# Allegro board Try it by yourself - iMX6Rex module - ADDR CMD CTL Length Matching.brd (continued)
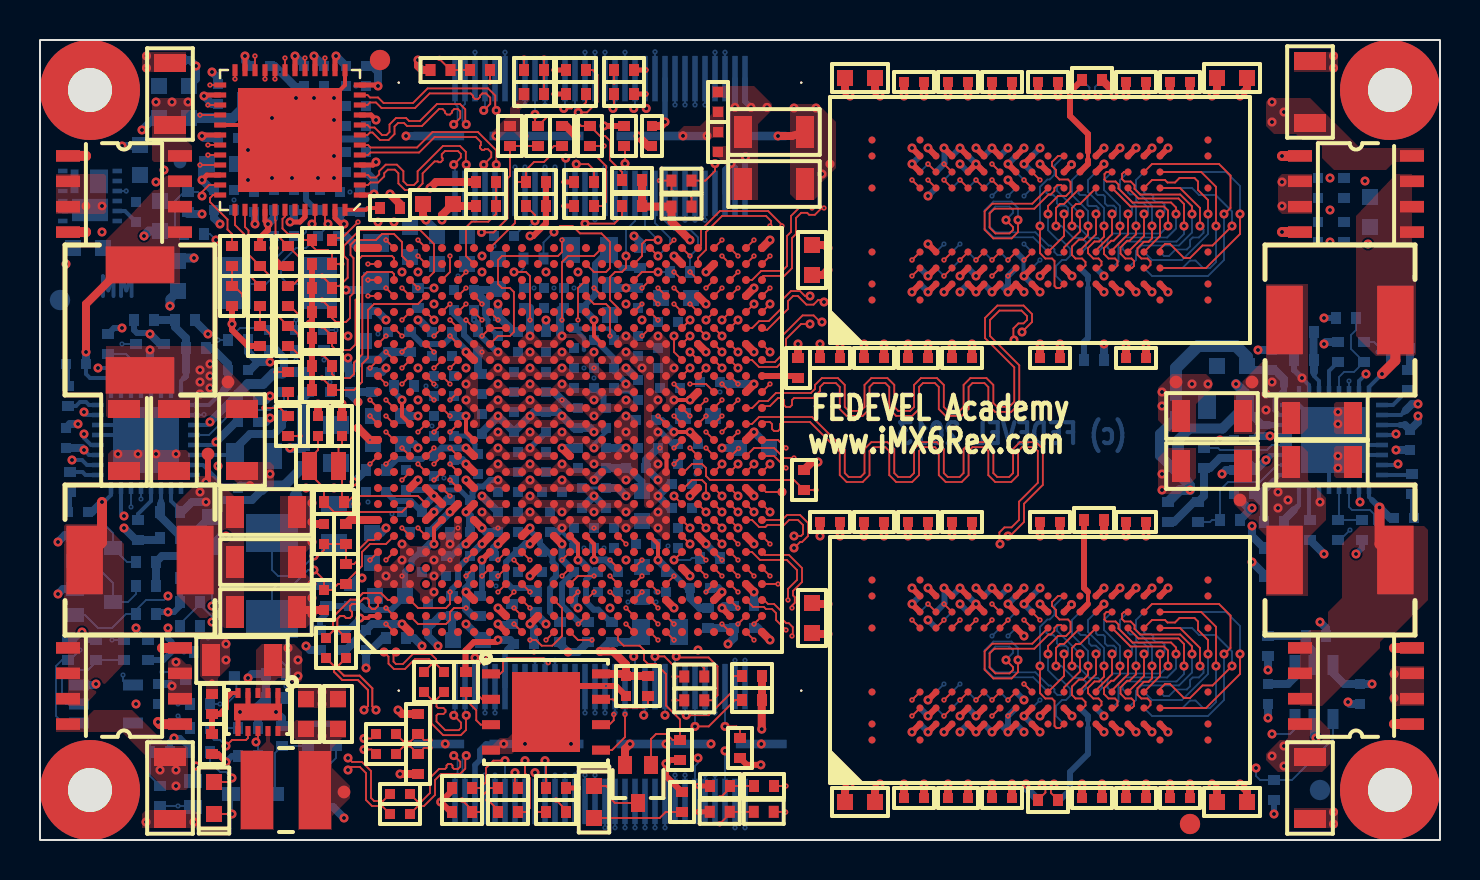
[diagram p0: board, top side]
## Library data of the parts
C1 = C0402_6
C2 = C1206_1
C3 = C0402_7
C4 = C0402
C5 = C0402_8
C6 = C0402_1
C7 = C0402_9
C8 = C0402_10
C9 = C0402_11
C10 = C0402_184
C11 = C0402_12
C12 = C0603_7
C13 = C0603_4
C14 = C0603_3
C15 = C0603_5
C16 = C0603_6
C17 = C0603_8
C18 = C0402_185
C19 = C0603_36
C20 = C0402_186
C21 = C0402_23
C22 = C0402_24
C23 = C0402_25
C24 = C0402_26
C25 = C0402_27
C26 = C0402_28
C27 = C0402_13
C28 = C0402_14
C29 = C0402_15
C30 = C0402_16
C31 = C0402_33
C32 = C0402_34
C33 = C0402_35
C34 = C0402_17
C35 = C0402_18
C36 = C0402_5
C37 = C0402_19
C38 = C0402_20
C39 = C0402_21
C40 = C0402_22
C41 = C0402_42
C42 = C0402_43
C43 = C0402_44
C44 = C0402_45
C45 = C0402_46
C46 = C0402_47
C47 = C0402_29
C48 = C0402_30
C49 = C0402_31
C50 = C0402_32
C51 = C0402_48
C52 = C0402_49
C53 = C0402_50
C54 = C0402_51
C55 = C0402_36
C56 = C0402_37
C57 = C0402_38
C58 = C0402_39
C59 = C0402_40
C60 = C0402_41
C61 = C0402_52
C62 = C0402_53
C63 = C0402_54
C64 = C0402_55
C65 = C0402_56
C66 = C0402_57
C67 = C0402_58
C68 = C0402_59
C69 = C0402_60
C70 = C0402_61
C71 = C0402_62
C72 = C0402_63
C73 = C0402_64
C74 = C0402_65
C75 = C0402_66
C76 = C0402_67
C77 = C0402_68
C78 = C0402_188
C79 = C0402_69
C80 = C0603_9
C81 = C0402_70
C82 = C0402_71
C83 = C0402_72
C84 = C0402_73
C85 = C0402_74
C86 = C0402_75
C87 = C0402_76
C88 = C0402_77
C89 = C0402_78
C90 = C0402_79
C91 = C0402_80
C92 = C0402_81
C93 = C0402_82
C94 = C0402_83
C95 = C0402_84
C96 = C0603_10
C97 = C0402_85
C98 = C0402_86
C99 = C0402_87
C100 = C0402_88
C101 = C0603_11
C102 = C0402_89
C103 = C0402_90
C104 = C0402_91
C105 = C0402_92
C106 = C0603_12
C107 = C0402_93
C108 = C0402_94
C109 = C0402_95
C110 = C0402_96
C111 = C0603
C112 = C0402_97
C113 = C0402_98
C114 = C0402_99
C115 = C0402_100
C116 = C0402_101
C117 = C0402_102
C118 = C0603_2
C119 = C0402_103
C120 = C0402_104
C121 = C0402_105
C122 = C0402_106
C123 = C0402_107
C124 = C0402_108
C125 = C0402_109
C126 = C0402_110
C127 = C0603_13
C128 = C0603_14
C129 = C0603_15
C130 = C0402_111
C131 = C0402_112
C132 = C0402_113
C133 = C0402_114
C134 = C0402_115
C135 = C0603_1
C136 = C0402_116
C137 = C0805
C138 = C0402_117
C139 = C0402_118
C140 = C0402_119
C141 = C0805_1
C142 = C0402_120
C143 = C0402_121
C144 = C0402_122
C145 = C0402_123
C146 = C0402_124
C147 = C0805_2
C148 = C0805_3
C149 = C0402_125
C150 = C0402_126
C151 = C0603_16
C152 = C0402_127
C153 = C0402_128
C154 = C0402_129
C155 = C0402_130
C156 = C0805_4
C157 = C0402_131
C158 = C0402_132
C159 = C0402_133
C160 = C0402_134
C161 = C0402_135
C162 = C0402_136
C163 = C0402_137
C164 = C0402_138
C165 = C0402_139
C166 = C0402_140
C167 = C0402_141
C168 = C0402_142
C169 = C0402_143
C170 = C0402_144
C171 = C0402_145
C172 = C0603_17
C173 = C0603_18
C174 = C0402_146
C175 = C0402_147
C176 = C0402_148
C177 = C0603_19
C178 = C0603_20
C179 = C0402_149
C180 = C0603_21
C181 = C0402_150
C182 = C0402_151
C183 = C0402_152
C184 = C0402_153
C185 = C0402_154
C186 = C0603_22
C187 = C0402_155
C188 = C0402_156
C189 = C0402_157
C190 = C0402_158
C191 = C0603_23
C192 = C0402_159
C193 = C0402_160
C194 = C0603_24
C195 = C0402_161
C196 = C0402_162
C197 = C0402_163
C198 = C0402_164
C199 = C0603_25
C200 = C0402_165
C201 = C0402_166
C202 = C0402_167
C203 = C0402_168
C204 = C0603_26
C205 = C0402_169
C206 = C0402_170
C207 = C0402_171
C208 = C0805_5
C209 = C1206_2
C210 = C1206_3
C211 = C0402_172
C212 = C0402_173
C213 = C1206_4
C214 = C1206_5
C215 = C1206_6
C216 = C1206_7
C217 = C1206_8
C218 = C0402_174
C219 = C0402_175
C220 = C1206_9
C221 = C0603_27
C222 = C0603_28
C223 = C0603_29
C224 = C0402_176
C225 = C0402_177
C226 = C0402_178
C227 = C0805_6
C228 = C1206_10
C229 = C1206_11
C230 = C0402_179
C231 = C0402_180
C232 = C1206_12
C233 = C1206_13
C234 = C1206_14
C235 = C1206_15
C236 = C1206_16
C237 = C0402_181
C238 = C0402_182
C239 = C0402_4
C240 = C0402_3
C241 = C1206
C242 = C0402_187
C243 = C0402_2
C244 = C0402_189
C245 = C0402_190
C246 = C0402_191
C247 = C0402_192
C248 = C0402_193
C249 = C0402_194
D1 = SOD323
D2 = LED_0603
D3 = LED_0603_1
FB1 = C0603_30
FB2 = C0603_31
FB3 = C0603_32
FB4 = C0603_33
FB5 = C0402_183
FB6 = C0603_34
FB7 = C0603_35
FB8 = C0603_37
FID1 = FID_40X52D_3
FID2 = FID_40X52D_2
FID3 = FID_40X52D_1
FID4 = FID_40X52D
J1 = QSH-030-01-L-D-A_1
J2 = QSH-030-01-L-D-A
L1 = IHLP_255MILX270MIL
L2 = IHLP_255MILX270MIL_1
L3 = VLCF4020
L4 = IHLP_255MILX270MIL_2
L5 = IHLP_255MILX270MIL_3
MH1 = MH_5MMD_2_2MMD
MH2 = MH_5MMD_2_2MMD_1
MH3 = MH_5MMD_2_2MMD_2
MH4 = MH_5MMD_2_2MMD_3
Q1 = SC70_SOT323_1
Q2 = SC70_SOT323_2
Q3 = 8_SOIC_3_9MM
Q4 = 8_SOIC_3_9MM_1
Q5 = SC70_SOT323_3
Q6 = 8_SOIC_3_9MM_2
Q7 = 8_SOIC_3_9MM_3
Q8 = SC70_SOT323_4
Q9 = SC70_SOT323
R1 = R0402_159
R2 = R0402_144
R3 = R0402_145
R4 = R0402_23
R5 = R0402_24
R6 = R0402_25
R7 = R0402_26
R8 = R0402_27
R9 = R0402_28
R10 = R0402_29
R11 = R0402_30
R12 = R0402_31
R13 = R0402_32
R14 = R0402_33
R15 = R0402_146
R16 = R0402_34
R17 = R0402_163
R18 = R0402_35
R19 = R0402_36
R20 = R0402_37
R21 = R0402_38
R22 = R0402_39
R23 = R0402_40
R24 = R0402_41
R25 = R0402_42
R26 = R0402_43
R27 = R0402_44
R28 = R0402_45
R29 = R0402_46
R30 = R0402_47
R31 = R0402_48
R32 = R0402_49
R33 = R0402_18
R34 = R0402_50
R35 = R0402_51
R36 = R0402_52
R37 = R0402_5
R38 = R0402_147
R39 = R0402_148
R40 = R0402_149
R41 = R0402_150
R42 = R0402_151
R43 = R0402_152
R44 = R0402_53
R45 = R0402_54
R46 = R0402_55
R47 = R0402_56
R48 = R0402_57
R49 = R0402_58
R50 = R0402_158
R51 = R0402_162
R52 = R0402_161
R53 = R0402_59
R54 = R0402_60
R55 = R0402_61
R56 = R0402_62
R57 = R0402_63
R58 = R0402_64
R59 = R0402_65
R60 = R0402_66
R61 = R0402_67
R62 = R0402_68
R63 = R0402_69
R64 = R0402_70
R65 = R0402_71
R66 = R0402_160
R67 = R0402_72
R68 = R0402_73
R69 = R0402_74
R70 = R0402_75
R71 = R0402_76
R72 = R0402_157
R73 = R0402_154
R74 = R0402_77
R75 = R0402_78
R76 = R0402_79
R77 = R0402_80
R78 = R0402_81
R79 = R0402_82
R80 = R0402_83
R81 = R0402_84
R82 = R0402_85
R83 = R0402_86
R84 = R0402_87
R85 = R0402_88
R86 = R0402_89
R87 = R0402_90
R88 = R0402_91
R89 = R0402_92
R90 = R0402_156
R91 = R0402_93
R92 = R0402_155
R93 = R0402_153
R94 = R0402_94
R95 = R0402_95
R96 = R0402_96
R97 = R0402_97
R98 = R0402_98
R99 = R0402_99
R100 = R0402_19
R101 = R0402_100
R102 = R0402_101
R103 = R0402_17
R104 = R0402_16
R105 = R0402_15
R106 = R0402_164
R107 = R0402_4
R108 = R0402_3
R109 = R0402_102
R110 = R0402_103
R111 = R0402_12
R112 = R0402_104
R113 = R0402_105
R114 = R0402_106
R115 = R0402_107
R116 = R0402_108
R117 = R0402_109
R118 = R0402_110
R119 = R0402_14
R120 = R0402_13
R121 = R0402_111
R122 = R0402_112
R123 = R0402_113
R124 = R0402_114
R125 = R0402_115
R126 = R0402_116
R127 = R0402_117
R128 = R0402_118
R129 = R0402_119
R130 = R0402_120
R131 = R0402_121
R132 = R0402_122
R133 = R0402_123
R134 = R0402_124
R135 = R0402_125
R136 = R0402_126
R137 = R0402_11
R138 = R0402_127
R139 = R0402_128
R140 = R0402_129
R141 = R0402_130
R142 = R0402_131
R143 = R0402_10
R144 = R0402_9
R145 = R0402_132
R146 = R0402_133
R147 = R0402_134
R148 = R0402_135
R149 = R0402_136
R150 = R0402_137
R151 = R0402_138
R152 = R0402_139
R153 = R0402_140
R154 = R0402_141
R155 = R0402_142
R156 = R0402_8
R157 = R0402_7
R158 = R0402_143
R159 = R0402_22
R160 = R0402_21
R161 = R0402_20
R162 = R0402_6
R163 = R0402_2
R164 = R0402_1
R165 = R0402
TP3 = TP_25C_7
TP5 = TP_25C_1
TP6 = TP_25C_2
TP7 = TP_25C_3
TP8 = TP_25C_4
TP9 = TP_25C_5
TP10 = TP_25C_6
TP11 = TP_25C
U1 = PBGA624
U2 = 96_FPGA_DD3
U3 = 96_FPGA_DD3_1
U4 = 96_FPGA_DD3_2
U5 = 96_FPGA_DD3_3
U6 = DBV_SOT_23_6
U7 = DBV_SOT_23_5
U8 = QFN48_7MMX7MM
U9 = MLF_3X3_12PINS
U10 = WSON8_6X5MM
U11 = 32_VFQFN_EXPOSED_PAD
U12 = DQC_PWSON-N10
U13 = 32_VFQFN_EXPOSED_PAD_1
Y1 Y3 = ABM7_V1_1
Y2 = ABS06

## Footprints (pads in the part's own frame, mm; a bottom-side part is the same pattern mirrored in y, then rotated)
8_SOIC_3_9MM
  rect 1.2x0.58 smd: 1(-2.8,1.905) 2(-2.8,0.635) 3(-2.8,-0.635) 4(-2.8,-1.905) 5(2.8,-1.905) 6(2.8,-0.635) 7(2.8,0.635) 8(2.8,1.905)
8_SOIC_3_9MM_1
  rect 1.2x0.58 smd: 1(-2.8,1.905) 2(-2.8,0.635) 3(-2.8,-0.635) 4(-2.8,-1.905) 5(2.8,-1.905) 6(2.8,-0.635) 7(2.8,0.635) 8(2.8,1.905)
8_SOIC_3_9MM_2
  rect 1.2x0.58 smd: 1(-2.8,1.905) 2(-2.8,0.635) 3(-2.8,-0.635) 4(-2.8,-1.905) 5(2.8,-1.905) 6(2.8,-0.635) 7(2.8,0.635) 8(2.8,1.905)
8_SOIC_3_9MM_3
  rect 1.2x0.58 smd: 1(-2.8,1.905) 2(-2.8,0.635) 3(-2.8,-0.635) 4(-2.8,-1.905) 5(2.8,-1.905) 6(2.8,-0.635) 7(2.8,0.635) 8(2.8,1.905)
32_VFQFN_EXPOSED_PAD
  rect 0.6x0.23 smd: 1(-2.4,1.75) 2(-2.4,1.25) 3(-2.4,0.75) 4(-2.4,0.25) 5(-2.4,-0.25) 6(-2.4,-0.75) 7(-2.4,-1.25) 8(-2.4,-1.75) 17(2.4,-1.75) 18(2.4,-1.25) 19(2.4,-0.75) 20(2.4,-0.25) 21(2.4,0.25) 22(2.4,0.75) 23(2.4,1.25) 24(2.4,1.75)
  rect 0.23x0.6 smd: 9(-1.75,-2.4) 10(-1.25,-2.4) 11(-0.75,-2.4) 12(-0.25,-2.4) 13(0.25,-2.4) 14(0.75,-2.4) 15(1.25,-2.4) 16(1.75,-2.4) 25(1.75,2.4) 26(1.25,2.4) 27(0.75,2.4) 28(0.25,2.4) 29(-0.25,2.4) 30(-0.75,2.4) 31(-1.25,2.4) 32(-1.75,2.4)
  rect 3.3x3.3 smd: 33(0,0)
32_VFQFN_EXPOSED_PAD_1
  rect 0.6x0.23 smd: 1(-2.4,1.75) 2(-2.4,1.25) 3(-2.4,0.75) 4(-2.4,0.25) 5(-2.4,-0.25) 6(-2.4,-0.75) 7(-2.4,-1.25) 8(-2.4,-1.75) 17(2.4,-1.75) 18(2.4,-1.25) 19(2.4,-0.75) 20(2.4,-0.25) 21(2.4,0.25) 22(2.4,0.75) 23(2.4,1.25) 24(2.4,1.75)
  rect 0.23x0.6 smd: 9(-1.75,-2.4) 10(-1.25,-2.4) 11(-0.75,-2.4) 12(-0.25,-2.4) 13(0.25,-2.4) 14(0.75,-2.4) 15(1.25,-2.4) 16(1.75,-2.4) 25(1.75,2.4) 26(1.25,2.4) 27(0.75,2.4) 28(0.25,2.4) 29(-0.25,2.4) 30(-0.75,2.4) 31(-1.25,2.4) 32(-1.75,2.4)
  rect 3.3x3.3 smd: 33(0,0)
96_FPGA_DD3
  round 0.35 smd: A1(-3.2,6) A2(-2.4,6) A3(-1.6,6) A7(1.6,6) A8(2.4,6) A9(3.2,6) B1(-3.2,5.2) B2(-2.4,5.2) B3(-1.6,5.2) B7(1.6,5.2) B8(2.4,5.2) B9(3.2,5.2) C1(-3.2,4.4) C2(-2.4,4.4) C3(-1.6,4.4) C7(1.6,4.4) C8(2.4,4.4) C9(3.2,4.4) D1(-3.2,3.6) D2(-2.4,3.6) D3(-1.6,3.6) D7(1.6,3.6) D8(2.4,3.6) D9(3.2,3.6) E1(-3.2,2.8) E2(-2.4,2.8) E3(-1.6,2.8) E7(1.6,2.8) E8(2.4,2.8) E9(3.2,2.8) F1(-3.2,2) F2(-2.4,2) F3(-1.6,2) F7(1.6,2) F8(2.4,2) F9(3.2,2) G1(-3.2,1.2) G2(-2.4,1.2) G3(-1.6,1.2) G7(1.6,1.2) G8(2.4,1.2) G9(3.2,1.2) H1(-3.2,0.4) H2(-2.4,0.4) H3(-1.6,0.4) H7(1.6,0.4) H8(2.4,0.4) H9(3.2,0.4) J1(-3.2,-0.4) J2(-2.4,-0.4) J3(-1.6,-0.4) J7(1.6,-0.4) J8(2.4,-0.4) J9(3.2,-0.4) K1(-3.2,-1.2) K2(-2.4,-1.2) K3(-1.6,-1.2) K7(1.6,-1.2) K8(2.4,-1.2) K9(3.2,-1.2) L1(-3.2,-2) L2(-2.4,-2) L3(-1.6,-2) L7(1.6,-2) L8(2.4,-2) L9(3.2,-2) M1(-3.2,-2.8) M2(-2.4,-2.8) M3(-1.6,-2.8) M7(1.6,-2.8) M8(2.4,-2.8) M9(3.2,-2.8) MECH01(-4,8.4) MECH02(-3.2,8.4) MECH03(-1.6,8.4) MECH04(1.6,8.4) MECH05(3.2,8.4) MECH06(4,8.4) MECH07(-4,6) MECH08(4,6) MECH09(-4,-6) MECH10(4,-6) MECH11(-4,-8.4) MECH12(-3.2,-8.4) MECH13(-1.6,-8.4) MECH14(1.6,-8.4) MECH15(3.2,-8.4) MECH16(4,-8.4) N1(-3.2,-3.6) N2(-2.4,-3.6) N3(-1.6,-3.6) N7(1.6,-3.6) N8(2.4,-3.6) N9(3.2,-3.6) P1(-3.2,-4.4) P2(-2.4,-4.4) P3(-1.6,-4.4) P7(1.6,-4.4) P8(2.4,-4.4) P9(3.2,-4.4) R1(-3.2,-5.2) R2(-2.4,-5.2) R3(-1.6,-5.2) R7(1.6,-5.2) R8(2.4,-5.2) R9(3.2,-5.2) T1(-3.2,-6) T2(-2.4,-6) T3(-1.6,-6) T7(1.6,-6) T8(2.4,-6) T9(3.2,-6)
96_FPGA_DD3_1
  round 0.35 smd: A1(-3.2,6) A2(-2.4,6) A3(-1.6,6) A7(1.6,6) A8(2.4,6) A9(3.2,6) B1(-3.2,5.2) B2(-2.4,5.2) B3(-1.6,5.2) B7(1.6,5.2) B8(2.4,5.2) B9(3.2,5.2) C1(-3.2,4.4) C2(-2.4,4.4) C3(-1.6,4.4) C7(1.6,4.4) C8(2.4,4.4) C9(3.2,4.4) D1(-3.2,3.6) D2(-2.4,3.6) D3(-1.6,3.6) D7(1.6,3.6) D8(2.4,3.6) D9(3.2,3.6) E1(-3.2,2.8) E2(-2.4,2.8) E3(-1.6,2.8) E7(1.6,2.8) E8(2.4,2.8) E9(3.2,2.8) F1(-3.2,2) F2(-2.4,2) F3(-1.6,2) F7(1.6,2) F8(2.4,2) F9(3.2,2) G1(-3.2,1.2) G2(-2.4,1.2) G3(-1.6,1.2) G7(1.6,1.2) G8(2.4,1.2) G9(3.2,1.2) H1(-3.2,0.4) H2(-2.4,0.4) H3(-1.6,0.4) H7(1.6,0.4) H8(2.4,0.4) H9(3.2,0.4) J1(-3.2,-0.4) J2(-2.4,-0.4) J3(-1.6,-0.4) J7(1.6,-0.4) J8(2.4,-0.4) J9(3.2,-0.4) K1(-3.2,-1.2) K2(-2.4,-1.2) K3(-1.6,-1.2) K7(1.6,-1.2) K8(2.4,-1.2) K9(3.2,-1.2) L1(-3.2,-2) L2(-2.4,-2) L3(-1.6,-2) L7(1.6,-2) L8(2.4,-2) L9(3.2,-2) M1(-3.2,-2.8) M2(-2.4,-2.8) M3(-1.6,-2.8) M7(1.6,-2.8) M8(2.4,-2.8) M9(3.2,-2.8) MECH01(-4,8.4) MECH02(-3.2,8.4) MECH03(-1.6,8.4) MECH04(1.6,8.4) MECH05(3.2,8.4) MECH06(4,8.4) MECH07(-4,6) MECH08(4,6) MECH09(-4,-6) MECH10(4,-6) MECH11(-4,-8.4) MECH12(-3.2,-8.4) MECH13(-1.6,-8.4) MECH14(1.6,-8.4) MECH15(3.2,-8.4) MECH16(4,-8.4) N1(-3.2,-3.6) N2(-2.4,-3.6) N3(-1.6,-3.6) N7(1.6,-3.6) N8(2.4,-3.6) N9(3.2,-3.6) P1(-3.2,-4.4) P2(-2.4,-4.4) P3(-1.6,-4.4) P7(1.6,-4.4) P8(2.4,-4.4) P9(3.2,-4.4) R1(-3.2,-5.2) R2(-2.4,-5.2) R3(-1.6,-5.2) R7(1.6,-5.2) R8(2.4,-5.2) R9(3.2,-5.2) T1(-3.2,-6) T2(-2.4,-6) T3(-1.6,-6) T7(1.6,-6) T8(2.4,-6) T9(3.2,-6)
96_FPGA_DD3_2
  round 0.35 smd: A1(-3.2,6) A2(-2.4,6) A3(-1.6,6) A7(1.6,6) A8(2.4,6) A9(3.2,6) B1(-3.2,5.2) B2(-2.4,5.2) B3(-1.6,5.2) B7(1.6,5.2) B8(2.4,5.2) B9(3.2,5.2) C1(-3.2,4.4) C2(-2.4,4.4) C3(-1.6,4.4) C7(1.6,4.4) C8(2.4,4.4) C9(3.2,4.4) D1(-3.2,3.6) D2(-2.4,3.6) D3(-1.6,3.6) D7(1.6,3.6) D8(2.4,3.6) D9(3.2,3.6) E1(-3.2,2.8) E2(-2.4,2.8) E3(-1.6,2.8) E7(1.6,2.8) E8(2.4,2.8) E9(3.2,2.8) F1(-3.2,2) F2(-2.4,2) F3(-1.6,2) F7(1.6,2) F8(2.4,2) F9(3.2,2) G1(-3.2,1.2) G2(-2.4,1.2) G3(-1.6,1.2) G7(1.6,1.2) G8(2.4,1.2) G9(3.2,1.2) H1(-3.2,0.4) H2(-2.4,0.4) H3(-1.6,0.4) H7(1.6,0.4) H8(2.4,0.4) H9(3.2,0.4) J1(-3.2,-0.4) J2(-2.4,-0.4) J3(-1.6,-0.4) J7(1.6,-0.4) J8(2.4,-0.4) J9(3.2,-0.4) K1(-3.2,-1.2) K2(-2.4,-1.2) K3(-1.6,-1.2) K7(1.6,-1.2) K8(2.4,-1.2) K9(3.2,-1.2) L1(-3.2,-2) L2(-2.4,-2) L3(-1.6,-2) L7(1.6,-2) L8(2.4,-2) L9(3.2,-2) M1(-3.2,-2.8) M2(-2.4,-2.8) M3(-1.6,-2.8) M7(1.6,-2.8) M8(2.4,-2.8) M9(3.2,-2.8) MECH01(-4,8.4) MECH02(-3.2,8.4) MECH03(-1.6,8.4) MECH04(1.6,8.4) MECH05(3.2,8.4) MECH06(4,8.4) MECH07(-4,6) MECH08(4,6) MECH09(-4,-6) MECH10(4,-6) MECH11(-4,-8.4) MECH12(-3.2,-8.4) MECH13(-1.6,-8.4) MECH14(1.6,-8.4) MECH15(3.2,-8.4) MECH16(4,-8.4) N1(-3.2,-3.6) N2(-2.4,-3.6) N3(-1.6,-3.6) N7(1.6,-3.6) N8(2.4,-3.6) N9(3.2,-3.6) P1(-3.2,-4.4) P2(-2.4,-4.4) P3(-1.6,-4.4) P7(1.6,-4.4) P8(2.4,-4.4) P9(3.2,-4.4) R1(-3.2,-5.2) R2(-2.4,-5.2) R3(-1.6,-5.2) R7(1.6,-5.2) R8(2.4,-5.2) R9(3.2,-5.2) T1(-3.2,-6) T2(-2.4,-6) T3(-1.6,-6) T7(1.6,-6) T8(2.4,-6) T9(3.2,-6)
96_FPGA_DD3_3
  round 0.35 smd: A1(-3.2,6) A2(-2.4,6) A3(-1.6,6) A7(1.6,6) A8(2.4,6) A9(3.2,6) B1(-3.2,5.2) B2(-2.4,5.2) B3(-1.6,5.2) B7(1.6,5.2) B8(2.4,5.2) B9(3.2,5.2) C1(-3.2,4.4) C2(-2.4,4.4) C3(-1.6,4.4) C7(1.6,4.4) C8(2.4,4.4) C9(3.2,4.4) D1(-3.2,3.6) D2(-2.4,3.6) D3(-1.6,3.6) D7(1.6,3.6) D8(2.4,3.6) D9(3.2,3.6) E1(-3.2,2.8) E2(-2.4,2.8) E3(-1.6,2.8) E7(1.6,2.8) E8(2.4,2.8) E9(3.2,2.8) F1(-3.2,2) F2(-2.4,2) F3(-1.6,2) F7(1.6,2) F8(2.4,2) F9(3.2,2) G1(-3.2,1.2) G2(-2.4,1.2) G3(-1.6,1.2) G7(1.6,1.2) G8(2.4,1.2) G9(3.2,1.2) H1(-3.2,0.4) H2(-2.4,0.4) H3(-1.6,0.4) H7(1.6,0.4) H8(2.4,0.4) H9(3.2,0.4) J1(-3.2,-0.4) J2(-2.4,-0.4) J3(-1.6,-0.4) J7(1.6,-0.4) J8(2.4,-0.4) J9(3.2,-0.4) K1(-3.2,-1.2) K2(-2.4,-1.2) K3(-1.6,-1.2) K7(1.6,-1.2) K8(2.4,-1.2) K9(3.2,-1.2) L1(-3.2,-2) L2(-2.4,-2) L3(-1.6,-2) L7(1.6,-2) L8(2.4,-2) L9(3.2,-2) M1(-3.2,-2.8) M2(-2.4,-2.8) M3(-1.6,-2.8) M7(1.6,-2.8) M8(2.4,-2.8) M9(3.2,-2.8) MECH01(-4,8.4) MECH02(-3.2,8.4) MECH03(-1.6,8.4) MECH04(1.6,8.4) MECH05(3.2,8.4) MECH06(4,8.4) MECH07(-4,6) MECH08(4,6) MECH09(-4,-6) MECH10(4,-6) MECH11(-4,-8.4) MECH12(-3.2,-8.4) MECH13(-1.6,-8.4) MECH14(1.6,-8.4) MECH15(3.2,-8.4) MECH16(4,-8.4) N1(-3.2,-3.6) N2(-2.4,-3.6) N3(-1.6,-3.6) N7(1.6,-3.6) N8(2.4,-3.6) N9(3.2,-3.6) P1(-3.2,-4.4) P2(-2.4,-4.4) P3(-1.6,-4.4) P7(1.6,-4.4) P8(2.4,-4.4) P9(3.2,-4.4) R1(-3.2,-5.2) R2(-2.4,-5.2) R3(-1.6,-5.2) R7(1.6,-5.2) R8(2.4,-5.2) R9(3.2,-5.2) T1(-3.2,-6) T2(-2.4,-6) T3(-1.6,-6) T7(1.6,-6) T8(2.4,-6) T9(3.2,-6)
ABM7_V1_1
  rect 1.9x2.6 smd: 1(-2.15,0) 2(2.15,0)
ABS06
  rect 0.75x1.4 smd: 1(-0.725,0) 2(0.725,0)
C0402
  rect 0.5x0.5 smd: 1(-0.5,0) 2(0.5,0)
C0402_1
  rect 0.5x0.5 smd: 1(-0.5,0) 2(0.5,0)
C0402_2
  rect 0.5x0.5 smd: 1(-0.5,0) 2(0.5,0)
C0402_3
  rect 0.5x0.5 smd: 1(-0.5,0) 2(0.5,0)
C0402_4
  rect 0.5x0.5 smd: 1(-0.5,0) 2(0.5,0)
C0402_5
  rect 0.5x0.5 smd: 1(-0.5,0) 2(0.5,0)
C0402_6
  rect 0.5x0.5 smd: 1(-0.5,0) 2(0.5,0)
C0402_7
  rect 0.5x0.5 smd: 1(-0.5,0) 2(0.5,0)
C0402_8
  rect 0.5x0.5 smd: 1(-0.5,0) 2(0.5,0)
C0402_9
  rect 0.5x0.5 smd: 1(-0.5,0) 2(0.5,0)
C0402_10
  rect 0.5x0.5 smd: 1(-0.5,0) 2(0.5,0)
C0402_11
  rect 0.5x0.5 smd: 1(-0.5,0) 2(0.5,0)
C0402_12
  rect 0.5x0.5 smd: 1(-0.5,0) 2(0.5,0)
C0402_13
  rect 0.5x0.5 smd: 1(-0.5,0) 2(0.5,0)
C0402_14
  rect 0.5x0.5 smd: 1(-0.5,0) 2(0.5,0)
C0402_15
  rect 0.5x0.5 smd: 1(-0.5,0) 2(0.5,0)
C0402_16
  rect 0.5x0.5 smd: 1(-0.5,0) 2(0.5,0)
C0402_17
  rect 0.5x0.5 smd: 1(-0.5,0) 2(0.5,0)
C0402_18
  rect 0.5x0.5 smd: 1(-0.5,0) 2(0.5,0)
C0402_19
  rect 0.5x0.5 smd: 1(-0.5,0) 2(0.5,0)
C0402_20
  rect 0.5x0.5 smd: 1(-0.5,0) 2(0.5,0)
C0402_21
  rect 0.5x0.5 smd: 1(-0.5,0) 2(0.5,0)
C0402_22
  rect 0.5x0.5 smd: 1(-0.5,0) 2(0.5,0)
C0402_23
  rect 0.5x0.5 smd: 1(-0.5,0) 2(0.5,0)
C0402_24
  rect 0.5x0.5 smd: 1(-0.5,0) 2(0.5,0)
C0402_25
  rect 0.5x0.5 smd: 1(-0.5,0) 2(0.5,0)
C0402_26
  rect 0.5x0.5 smd: 1(-0.5,0) 2(0.5,0)
C0402_27
  rect 0.5x0.5 smd: 1(-0.5,0) 2(0.5,0)
C0402_28
  rect 0.5x0.5 smd: 1(-0.5,0) 2(0.5,0)
C0402_29
  rect 0.5x0.5 smd: 1(-0.5,0) 2(0.5,0)
C0402_30
  rect 0.5x0.5 smd: 1(-0.5,0) 2(0.5,0)
C0402_31
  rect 0.5x0.5 smd: 1(-0.5,0) 2(0.5,0)
C0402_32
  rect 0.5x0.5 smd: 1(-0.5,0) 2(0.5,0)
C0402_33
  rect 0.5x0.5 smd: 1(-0.5,0) 2(0.5,0)
C0402_34
  rect 0.5x0.5 smd: 1(-0.5,0) 2(0.5,0)
C0402_35
  rect 0.5x0.5 smd: 1(-0.5,0) 2(0.5,0)
C0402_36
  rect 0.5x0.5 smd: 1(-0.5,0) 2(0.5,0)
C0402_37
  rect 0.5x0.5 smd: 1(-0.5,0) 2(0.5,0)
C0402_38
  rect 0.5x0.5 smd: 1(-0.5,0) 2(0.5,0)
C0402_39
  rect 0.5x0.5 smd: 1(-0.5,0) 2(0.5,0)
C0402_40
  rect 0.5x0.5 smd: 1(-0.5,0) 2(0.5,0)
C0402_41
  rect 0.5x0.5 smd: 1(-0.5,0) 2(0.5,0)
C0402_42
  rect 0.5x0.5 smd: 1(-0.5,0) 2(0.5,0)
C0402_43
  rect 0.5x0.5 smd: 1(-0.5,0) 2(0.5,0)
C0402_44
  rect 0.5x0.5 smd: 1(-0.5,0) 2(0.5,0)
C0402_45
  rect 0.5x0.5 smd: 1(-0.5,0) 2(0.5,0)
C0402_46
  rect 0.5x0.5 smd: 1(-0.5,0) 2(0.5,0)
C0402_47
  rect 0.5x0.5 smd: 1(-0.5,0) 2(0.5,0)
C0402_48
  rect 0.5x0.5 smd: 1(-0.5,0) 2(0.5,0)
C0402_49
  rect 0.5x0.5 smd: 1(-0.5,0) 2(0.5,0)
C0402_50
  rect 0.5x0.5 smd: 1(-0.5,0) 2(0.5,0)
C0402_51
  rect 0.5x0.5 smd: 1(-0.5,0) 2(0.5,0)
C0402_52
  rect 0.5x0.5 smd: 1(-0.5,0) 2(0.5,0)
C0402_53
  rect 0.5x0.5 smd: 1(-0.5,0) 2(0.5,0)
C0402_54
  rect 0.5x0.5 smd: 1(-0.5,0) 2(0.5,0)
C0402_55
  rect 0.5x0.5 smd: 1(-0.5,0) 2(0.5,0)
C0402_56
  rect 0.5x0.5 smd: 1(-0.5,0) 2(0.5,0)
C0402_57
  rect 0.5x0.5 smd: 1(-0.5,0) 2(0.5,0)
C0402_58
  rect 0.5x0.5 smd: 1(-0.5,0) 2(0.5,0)
C0402_59
  rect 0.5x0.5 smd: 1(-0.5,0) 2(0.5,0)
C0402_60
  rect 0.5x0.5 smd: 1(-0.5,0) 2(0.5,0)
C0402_61
  rect 0.5x0.5 smd: 1(-0.5,0) 2(0.5,0)
C0402_62
  rect 0.5x0.5 smd: 1(-0.5,0) 2(0.5,0)
C0402_63
  rect 0.5x0.5 smd: 1(-0.5,0) 2(0.5,0)
C0402_64
  rect 0.5x0.5 smd: 1(-0.5,0) 2(0.5,0)
C0402_65
  rect 0.5x0.5 smd: 1(-0.5,0) 2(0.5,0)
C0402_66
  rect 0.5x0.5 smd: 1(-0.5,0) 2(0.5,0)
C0402_67
  rect 0.5x0.5 smd: 1(-0.5,0) 2(0.5,0)
C0402_68
  rect 0.5x0.5 smd: 1(-0.5,0) 2(0.5,0)
C0402_69
  rect 0.5x0.5 smd: 1(-0.5,0) 2(0.5,0)
C0402_70
  rect 0.5x0.5 smd: 1(-0.5,0) 2(0.5,0)
C0402_71
  rect 0.5x0.5 smd: 1(-0.5,0) 2(0.5,0)
C0402_72
  rect 0.5x0.5 smd: 1(-0.5,0) 2(0.5,0)
C0402_73
  rect 0.5x0.5 smd: 1(-0.5,0) 2(0.5,0)
C0402_74
  rect 0.5x0.5 smd: 1(-0.5,0) 2(0.5,0)
C0402_75
  rect 0.5x0.5 smd: 1(-0.5,0) 2(0.5,0)
C0402_76
  rect 0.5x0.5 smd: 1(-0.5,0) 2(0.5,0)
C0402_77
  rect 0.5x0.5 smd: 1(-0.5,0) 2(0.5,0)
C0402_78
  rect 0.5x0.5 smd: 1(-0.5,0) 2(0.5,0)
C0402_79
  rect 0.5x0.5 smd: 1(-0.5,0) 2(0.5,0)
C0402_80
  rect 0.5x0.5 smd: 1(-0.5,0) 2(0.5,0)
C0402_81
  rect 0.5x0.5 smd: 1(-0.5,0) 2(0.5,0)
C0402_82
  rect 0.5x0.5 smd: 1(-0.5,0) 2(0.5,0)
C0402_83
  rect 0.5x0.5 smd: 1(-0.5,0) 2(0.5,0)
C0402_84
  rect 0.5x0.5 smd: 1(-0.5,0) 2(0.5,0)
C0402_85
  rect 0.5x0.5 smd: 1(-0.5,0) 2(0.5,0)
C0402_86
  rect 0.5x0.5 smd: 1(-0.5,0) 2(0.5,0)
C0402_87
  rect 0.5x0.5 smd: 1(-0.5,0) 2(0.5,0)
C0402_88
  rect 0.5x0.5 smd: 1(-0.5,0) 2(0.5,0)
C0402_89
  rect 0.5x0.5 smd: 1(-0.5,0) 2(0.5,0)
C0402_90
  rect 0.5x0.5 smd: 1(-0.5,0) 2(0.5,0)
C0402_91
  rect 0.5x0.5 smd: 1(-0.5,0) 2(0.5,0)
C0402_92
  rect 0.5x0.5 smd: 1(-0.5,0) 2(0.5,0)
C0402_93
  rect 0.5x0.5 smd: 1(-0.5,0) 2(0.5,0)
C0402_94
  rect 0.5x0.5 smd: 1(-0.5,0) 2(0.5,0)
C0402_95
  rect 0.5x0.5 smd: 1(-0.5,0) 2(0.5,0)
C0402_96
  rect 0.5x0.5 smd: 1(-0.5,0) 2(0.5,0)
C0402_97
  rect 0.5x0.5 smd: 1(-0.5,0) 2(0.5,0)
C0402_98
  rect 0.5x0.5 smd: 1(-0.5,0) 2(0.5,0)
C0402_99
  rect 0.5x0.5 smd: 1(-0.5,0) 2(0.5,0)
C0402_100
  rect 0.5x0.5 smd: 1(-0.5,0) 2(0.5,0)
C0402_101
  rect 0.5x0.5 smd: 1(-0.5,0) 2(0.5,0)
C0402_102
  rect 0.5x0.5 smd: 1(-0.5,0) 2(0.5,0)
C0402_103
  rect 0.5x0.5 smd: 1(-0.5,0) 2(0.5,0)
C0402_104
  rect 0.5x0.5 smd: 1(-0.5,0) 2(0.5,0)
C0402_105
  rect 0.5x0.5 smd: 1(-0.5,0) 2(0.5,0)
C0402_106
  rect 0.5x0.5 smd: 1(-0.5,0) 2(0.5,0)
C0402_107
  rect 0.5x0.5 smd: 1(-0.5,0) 2(0.5,0)
C0402_108
  rect 0.5x0.5 smd: 1(-0.5,0) 2(0.5,0)
C0402_109
  rect 0.5x0.5 smd: 1(-0.5,0) 2(0.5,0)
C0402_110
  rect 0.5x0.5 smd: 1(-0.5,0) 2(0.5,0)
C0402_111
  rect 0.5x0.5 smd: 1(-0.5,0) 2(0.5,0)
C0402_112
  rect 0.5x0.5 smd: 1(-0.5,0) 2(0.5,0)
C0402_113
  rect 0.5x0.5 smd: 1(-0.5,0) 2(0.5,0)
C0402_114
  rect 0.5x0.5 smd: 1(-0.5,0) 2(0.5,0)
C0402_115
  rect 0.5x0.5 smd: 1(-0.5,0) 2(0.5,0)
C0402_116
  rect 0.5x0.5 smd: 1(-0.5,0) 2(0.5,0)
C0402_117
  rect 0.5x0.5 smd: 1(-0.5,0) 2(0.5,0)
C0402_118
  rect 0.5x0.5 smd: 1(-0.5,0) 2(0.5,0)
C0402_119
  rect 0.5x0.5 smd: 1(-0.5,0) 2(0.5,0)
C0402_120
  rect 0.5x0.5 smd: 1(-0.5,0) 2(0.5,0)
C0402_121
  rect 0.5x0.5 smd: 1(-0.5,0) 2(0.5,0)
C0402_122
  rect 0.5x0.5 smd: 1(-0.5,0) 2(0.5,0)
C0402_123
  rect 0.5x0.5 smd: 1(-0.5,0) 2(0.5,0)
C0402_124
  rect 0.5x0.5 smd: 1(-0.5,0) 2(0.5,0)
C0402_125
  rect 0.5x0.5 smd: 1(-0.5,0) 2(0.5,0)
C0402_126
  rect 0.5x0.5 smd: 1(-0.5,0) 2(0.5,0)
C0402_127
  rect 0.5x0.5 smd: 1(-0.5,0) 2(0.5,0)
C0402_128
  rect 0.5x0.5 smd: 1(-0.5,0) 2(0.5,0)
C0402_129
  rect 0.5x0.5 smd: 1(-0.5,0) 2(0.5,0)
C0402_130
  rect 0.5x0.5 smd: 1(-0.5,0) 2(0.5,0)
C0402_131
  rect 0.5x0.5 smd: 1(-0.5,0) 2(0.5,0)
C0402_132
  rect 0.5x0.5 smd: 1(-0.5,0) 2(0.5,0)
C0402_133
  rect 0.5x0.5 smd: 1(-0.5,0) 2(0.5,0)
C0402_134
  rect 0.5x0.5 smd: 1(-0.5,0) 2(0.5,0)
C0402_135
  rect 0.5x0.5 smd: 1(-0.5,0) 2(0.5,0)
C0402_136
  rect 0.5x0.5 smd: 1(-0.5,0) 2(0.5,0)
C0402_137
  rect 0.5x0.5 smd: 1(-0.5,0) 2(0.5,0)
C0402_138
  rect 0.5x0.5 smd: 1(-0.5,0) 2(0.5,0)
C0402_139
  rect 0.5x0.5 smd: 1(-0.5,0) 2(0.5,0)
C0402_140
  rect 0.5x0.5 smd: 1(-0.5,0) 2(0.5,0)
C0402_141
  rect 0.5x0.5 smd: 1(-0.5,0) 2(0.5,0)
C0402_142
  rect 0.5x0.5 smd: 1(-0.5,0) 2(0.5,0)
C0402_143
  rect 0.5x0.5 smd: 1(-0.5,0) 2(0.5,0)
C0402_144
  rect 0.5x0.5 smd: 1(-0.5,0) 2(0.5,0)
C0402_145
  rect 0.5x0.5 smd: 1(-0.5,0) 2(0.5,0)
C0402_146
  rect 0.5x0.5 smd: 1(-0.5,0) 2(0.5,0)
C0402_147
  rect 0.5x0.5 smd: 1(-0.5,0) 2(0.5,0)
C0402_148
  rect 0.5x0.5 smd: 1(-0.5,0) 2(0.5,0)
C0402_149
  rect 0.5x0.5 smd: 1(-0.5,0) 2(0.5,0)
C0402_150
  rect 0.5x0.5 smd: 1(-0.5,0) 2(0.5,0)
C0402_151
  rect 0.5x0.5 smd: 1(-0.5,0) 2(0.5,0)
C0402_152
  rect 0.5x0.5 smd: 1(-0.5,0) 2(0.5,0)
C0402_153
  rect 0.5x0.5 smd: 1(-0.5,0) 2(0.5,0)
C0402_154
  rect 0.5x0.5 smd: 1(-0.5,0) 2(0.5,0)
C0402_155
  rect 0.5x0.5 smd: 1(-0.5,0) 2(0.5,0)
C0402_156
  rect 0.5x0.5 smd: 1(-0.5,0) 2(0.5,0)
C0402_157
  rect 0.5x0.5 smd: 1(-0.5,0) 2(0.5,0)
C0402_158
  rect 0.5x0.5 smd: 1(-0.5,0) 2(0.5,0)
C0402_159
  rect 0.5x0.5 smd: 1(-0.5,0) 2(0.5,0)
C0402_160
  rect 0.5x0.5 smd: 1(-0.5,0) 2(0.5,0)
C0402_161
  rect 0.5x0.5 smd: 1(-0.5,0) 2(0.5,0)
C0402_162
  rect 0.5x0.5 smd: 1(-0.5,0) 2(0.5,0)
C0402_163
  rect 0.5x0.5 smd: 1(-0.5,0) 2(0.5,0)
C0402_164
  rect 0.5x0.5 smd: 1(-0.5,0) 2(0.5,0)
C0402_165
  rect 0.5x0.5 smd: 1(-0.5,0) 2(0.5,0)
C0402_166
  rect 0.5x0.5 smd: 1(-0.5,0) 2(0.5,0)
C0402_167
  rect 0.5x0.5 smd: 1(-0.5,0) 2(0.5,0)
C0402_168
  rect 0.5x0.5 smd: 1(-0.5,0) 2(0.5,0)
C0402_169
  rect 0.5x0.5 smd: 1(-0.5,0) 2(0.5,0)
C0402_170
  rect 0.5x0.5 smd: 1(-0.5,0) 2(0.5,0)
C0402_171
  rect 0.5x0.5 smd: 1(-0.5,0) 2(0.5,0)
C0402_172
  rect 0.5x0.5 smd: 1(-0.5,0) 2(0.5,0)
C0402_173
  rect 0.5x0.5 smd: 1(-0.5,0) 2(0.5,0)
C0402_174
  rect 0.5x0.5 smd: 1(-0.5,0) 2(0.5,0)
C0402_175
  rect 0.5x0.5 smd: 1(-0.5,0) 2(0.5,0)
C0402_176
  rect 0.5x0.5 smd: 1(-0.5,0) 2(0.5,0)
C0402_177
  rect 0.5x0.5 smd: 1(-0.5,0) 2(0.5,0)
C0402_178
  rect 0.5x0.5 smd: 1(-0.5,0) 2(0.5,0)
C0402_179
  rect 0.5x0.5 smd: 1(-0.5,0) 2(0.5,0)
C0402_180
  rect 0.5x0.5 smd: 1(-0.5,0) 2(0.5,0)
C0402_181
  rect 0.5x0.5 smd: 1(-0.5,0) 2(0.5,0)
C0402_182
  rect 0.5x0.5 smd: 1(-0.5,0) 2(0.5,0)
C0402_183
  rect 0.5x0.5 smd: 1(-0.5,0) 2(0.5,0)
C0402_184
  rect 0.5x0.5 smd: 1(-0.5,0) 2(0.5,0)
C0402_185
  rect 0.5x0.5 smd: 1(-0.5,0) 2(0.5,0)
C0402_186
  rect 0.5x0.5 smd: 1(-0.5,0) 2(0.5,0)
C0402_187
  rect 0.5x0.5 smd: 1(-0.5,0) 2(0.5,0)
C0402_188
  rect 0.5x0.5 smd: 1(-0.5,0) 2(0.5,0)
C0402_189
  rect 0.5x0.5 smd: 1(-0.5,0) 2(0.5,0)
C0402_190
  rect 0.5x0.5 smd: 1(-0.5,0) 2(0.5,0)
C0402_191
  rect 0.5x0.5 smd: 1(-0.5,0) 2(0.5,0)
C0402_192
  rect 0.5x0.5 smd: 1(-0.5,0) 2(0.5,0)
C0402_193
  rect 0.5x0.5 smd: 1(-0.5,0) 2(0.5,0)
C0402_194
  rect 0.5x0.5 smd: 1(-0.5,0) 2(0.5,0)
C0603
  rect 0.8x0.8 smd: 1(-0.75,0) 2(0.75,0)
C0603_1
  rect 0.8x0.8 smd: 1(-0.75,0) 2(0.75,0)
C0603_2
  rect 0.8x0.8 smd: 1(-0.75,0) 2(0.75,0)
C0603_3
  rect 0.8x0.8 smd: 1(-0.75,0) 2(0.75,0)
C0603_4
  rect 0.8x0.8 smd: 1(-0.75,0) 2(0.75,0)
C0603_5
  rect 0.8x0.8 smd: 1(-0.75,0) 2(0.75,0)
C0603_6
  rect 0.8x0.8 smd: 1(-0.75,0) 2(0.75,0)
C0603_7
  rect 0.8x0.8 smd: 1(-0.75,0) 2(0.75,0)
C0603_8
  rect 0.8x0.8 smd: 1(-0.75,0) 2(0.75,0)
C0603_9
  rect 0.8x0.8 smd: 1(-0.75,0) 2(0.75,0)
C0603_10
  rect 0.8x0.8 smd: 1(-0.75,0) 2(0.75,0)
C0603_11
  rect 0.8x0.8 smd: 1(-0.75,0) 2(0.75,0)
C0603_12
  rect 0.8x0.8 smd: 1(-0.75,0) 2(0.75,0)
C0603_13
  rect 0.8x0.8 smd: 1(-0.75,0) 2(0.75,0)
C0603_14
  rect 0.8x0.8 smd: 1(-0.75,0) 2(0.75,0)
C0603_15
  rect 0.8x0.8 smd: 1(-0.75,0) 2(0.75,0)
C0603_16
  rect 0.8x0.8 smd: 1(-0.75,0) 2(0.75,0)
C0603_17
  rect 0.8x0.8 smd: 1(-0.75,0) 2(0.75,0)
C0603_18
  rect 0.8x0.8 smd: 1(-0.75,0) 2(0.75,0)
C0603_19
  rect 0.8x0.8 smd: 1(-0.75,0) 2(0.75,0)
C0603_20
  rect 0.8x0.8 smd: 1(-0.75,0) 2(0.75,0)
C0603_21
  rect 0.8x0.8 smd: 1(-0.75,0) 2(0.75,0)
C0603_22
  rect 0.8x0.8 smd: 1(-0.75,0) 2(0.75,0)
C0603_23
  rect 0.8x0.8 smd: 1(-0.75,0) 2(0.75,0)
C0603_24
  rect 0.8x0.8 smd: 1(-0.75,0) 2(0.75,0)
C0603_25
  rect 0.8x0.8 smd: 1(-0.75,0) 2(0.75,0)
C0603_26
  rect 0.8x0.8 smd: 1(-0.75,0) 2(0.75,0)
C0603_27
  rect 0.8x0.8 smd: 1(-0.75,0) 2(0.75,0)
C0603_28
  rect 0.8x0.8 smd: 1(-0.75,0) 2(0.75,0)
C0603_29
  rect 0.8x0.8 smd: 1(-0.75,0) 2(0.75,0)
C0603_30
  rect 0.8x0.8 smd: 1(-0.75,0) 2(0.75,0)
C0603_31
  rect 0.8x0.8 smd: 1(-0.75,0) 2(0.75,0)
C0603_32
  rect 0.8x0.8 smd: 1(-0.75,0) 2(0.75,0)
C0603_33
  rect 0.8x0.8 smd: 1(-0.75,0) 2(0.75,0)
C0603_34
  rect 0.8x0.8 smd: 1(-0.75,0) 2(0.75,0)
C0603_35
  rect 0.8x0.8 smd: 1(-0.75,0) 2(0.75,0)
C0603_36
  rect 0.8x0.8 smd: 1(-0.75,0) 2(0.75,0)
C0603_37
  rect 0.8x0.8 smd: 1(-0.75,0) 2(0.75,0)
C0805
  rect 0.9x1.3 smd: 1(-0.95,0) 2(0.95,0)
C0805_1
  rect 0.9x1.3 smd: 1(-0.95,0) 2(0.95,0)
C0805_2
  rect 0.9x1.3 smd: 1(-0.95,0) 2(0.95,0)
C0805_3
  rect 0.9x1.3 smd: 1(-0.95,0) 2(0.95,0)
C0805_4
  rect 0.9x1.3 smd: 1(-0.95,0) 2(0.95,0)
C0805_5
  rect 0.9x1.3 smd: 1(-0.95,0) 2(0.95,0)
C0805_6
  rect 0.9x1.3 smd: 1(-0.95,0) 2(0.95,0)
C1206
  rect 0.9x1.6 smd: 1(-1.55,0) 2(1.55,0)
C1206_1
  rect 0.9x1.6 smd: 1(-1.55,0) 2(1.55,0)
C1206_2
  rect 0.9x1.6 smd: 1(-1.55,0) 2(1.55,0)
C1206_3
  rect 0.9x1.6 smd: 1(-1.55,0) 2(1.55,0)
C1206_4
  rect 0.9x1.6 smd: 1(-1.55,0) 2(1.55,0)
C1206_5
  rect 0.9x1.6 smd: 1(-1.55,0) 2(1.55,0)
C1206_6
  rect 0.9x1.6 smd: 1(-1.55,0) 2(1.55,0)
C1206_7
  rect 0.9x1.6 smd: 1(-1.55,0) 2(1.55,0)
C1206_8
  rect 0.9x1.6 smd: 1(-1.55,0) 2(1.55,0)
C1206_9
  rect 0.9x1.6 smd: 1(-1.55,0) 2(1.55,0)
C1206_10
  rect 0.9x1.6 smd: 1(-1.55,0) 2(1.55,0)
C1206_11
  rect 0.9x1.6 smd: 1(-1.55,0) 2(1.55,0)
C1206_12
  rect 0.9x1.6 smd: 1(-1.55,0) 2(1.55,0)
C1206_13
  rect 0.9x1.6 smd: 1(-1.55,0) 2(1.55,0)
C1206_14
  rect 0.9x1.6 smd: 1(-1.55,0) 2(1.55,0)
C1206_15
  rect 0.9x1.6 smd: 1(-1.55,0) 2(1.55,0)
C1206_16
  rect 0.9x1.6 smd: 1(-1.55,0) 2(1.55,0)
DBV_SOT_23_5
  rect 1x0.55 smd: 1(-1.35,0.95) 2(-1.35,0) 3(-1.35,-0.95) 4(1.35,-0.95) 5(1.35,0.95)
DBV_SOT_23_6
  rect 1x0.55 smd: 1(-1.35,0.95) 2(-1.35,0) 3(-1.35,-0.95) 4(1.35,-0.95) 5(1.35,0) 6(1.35,0.95)
DQC_PWSON-N10
  rect 0.5x0.25 smd: 1(-0.95,1) 2(-0.95,0.5) 3(-0.95,0) 4(-0.95,-0.5) 5(-0.95,-1) 6(0.95,-1) 7(0.95,-0.5) 8(0.95,0) 9(0.95,0.5) 10(0.95,1)
  rect 0.84x2.4 smd: 11(0,0)
FID_40X52D
  round 1.016 smd: 1(0,0)
FID_40X52D_1
  round 1.016 smd: 1(0,0)
FID_40X52D_2
  round 1.016 smd: 1(0,0)
